# KiCad board sqrt_of_g.kicad_pcb (continued)
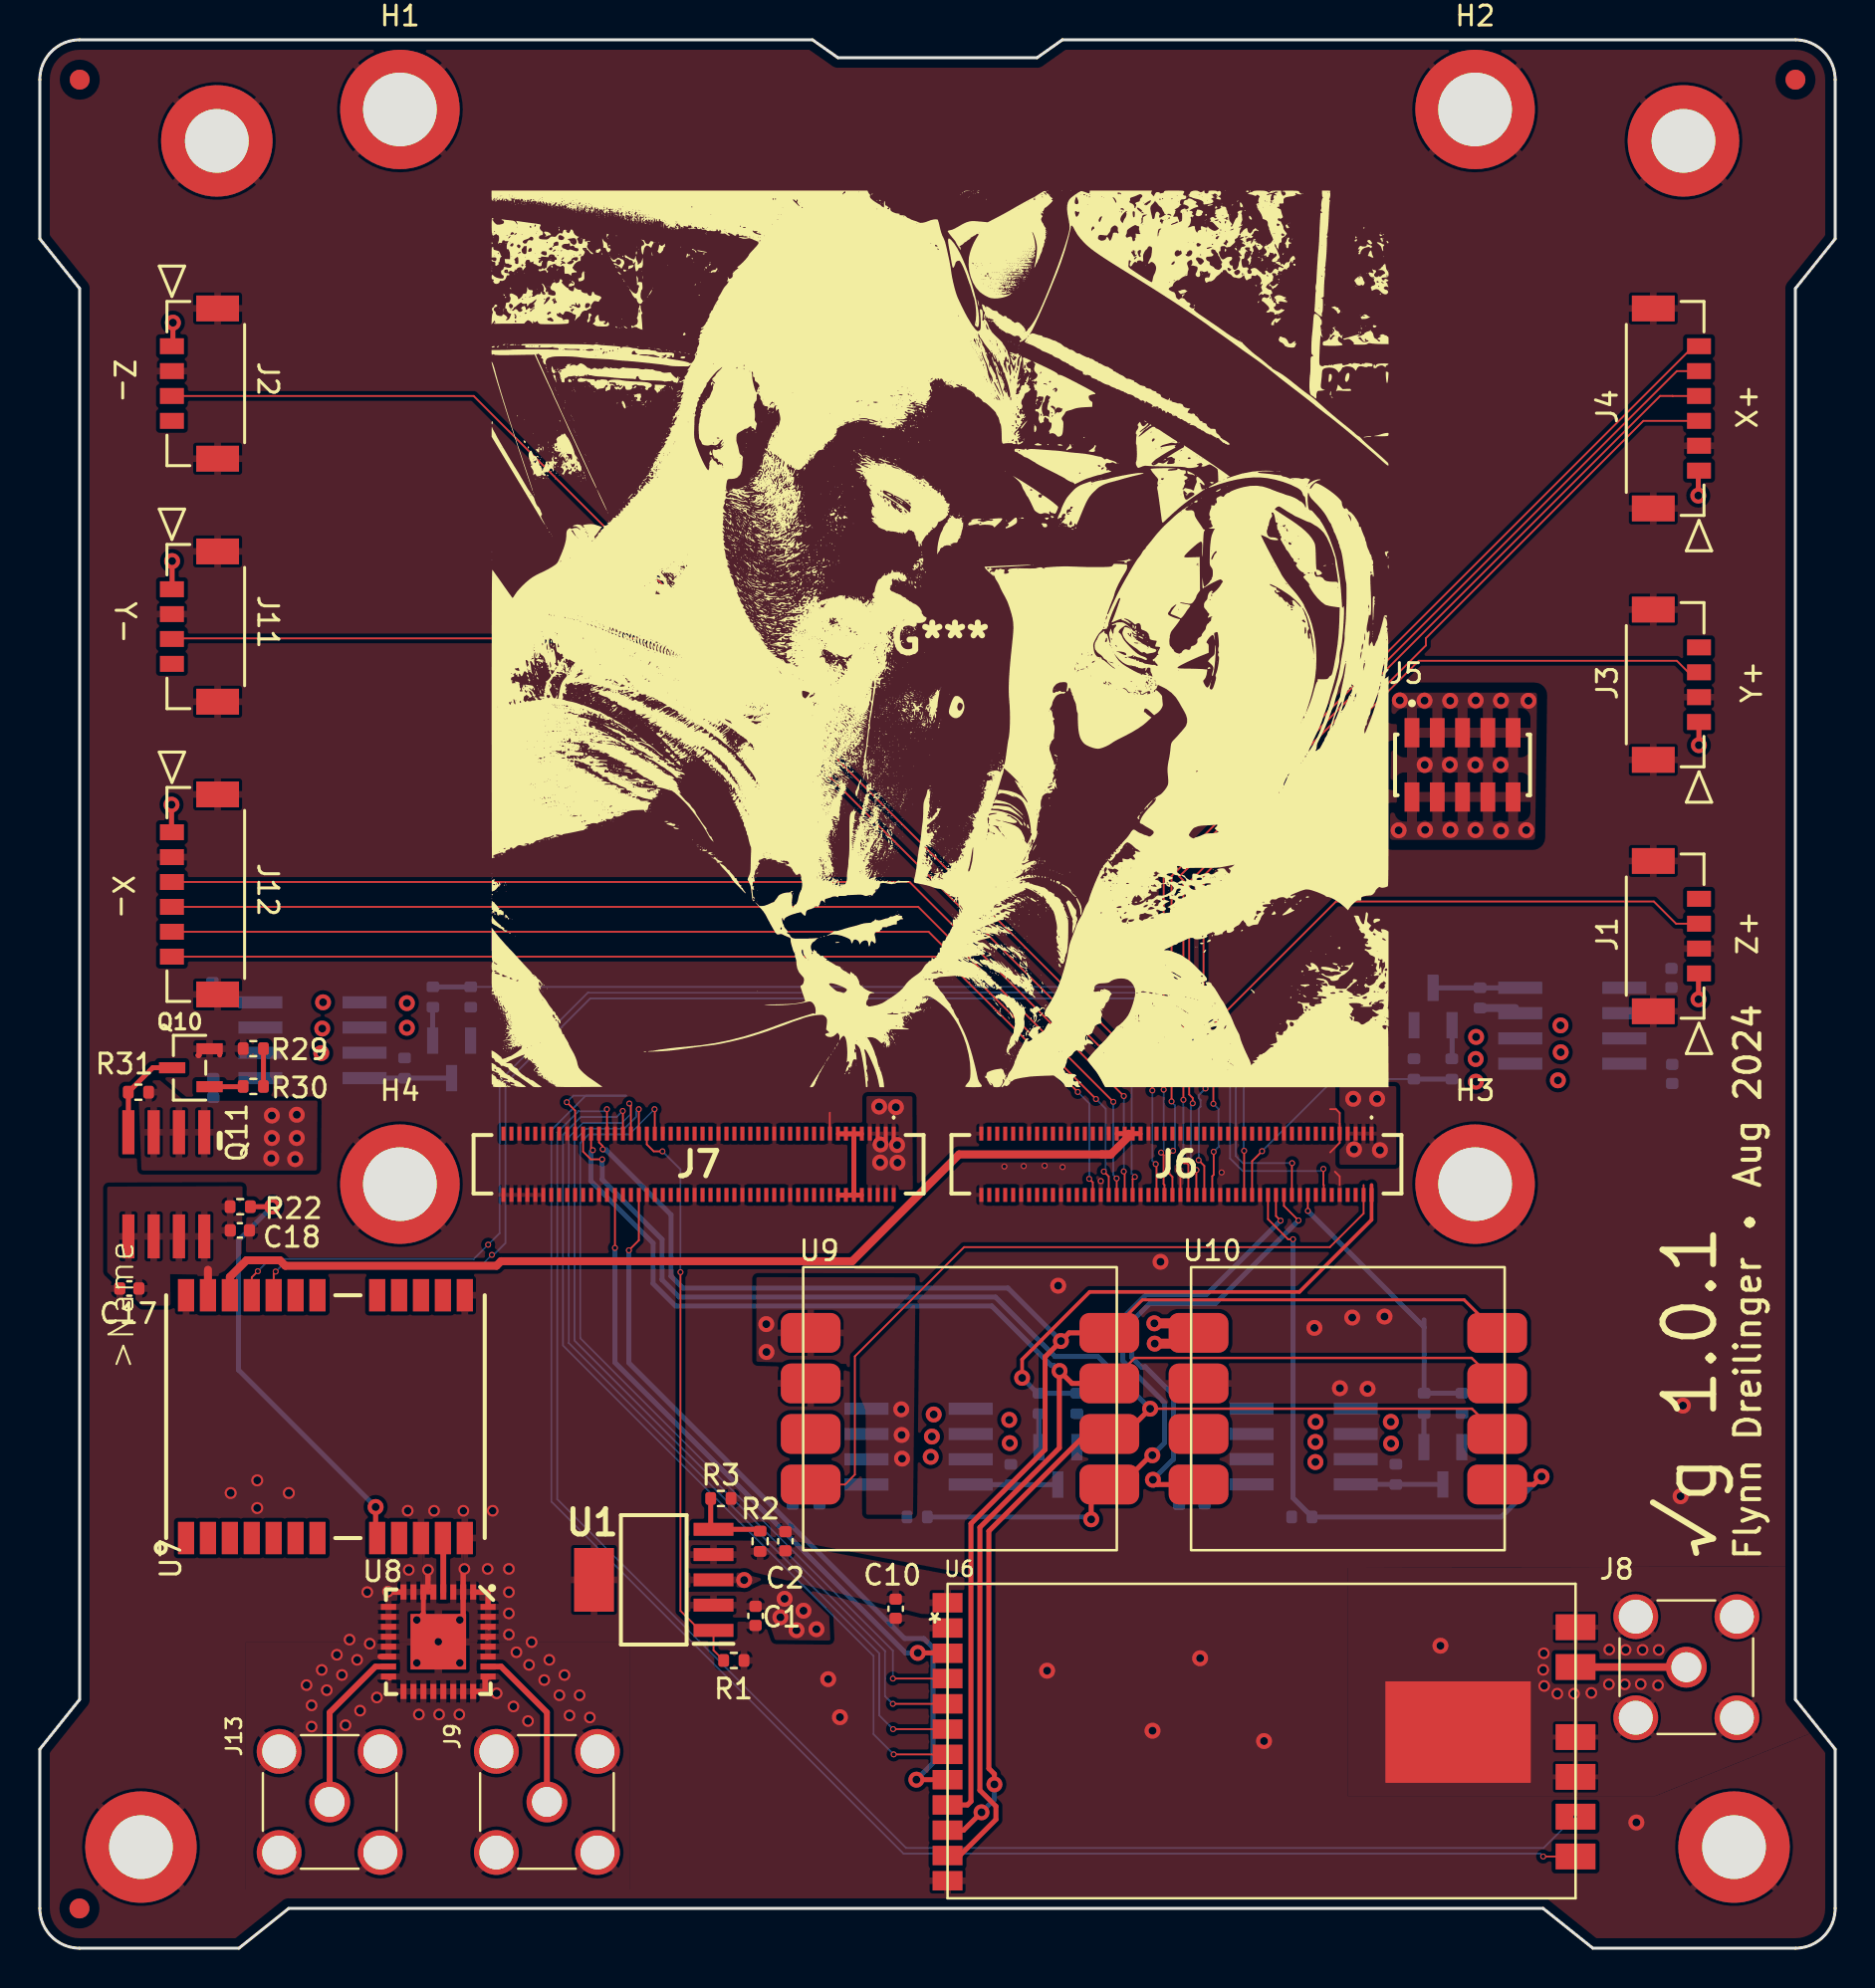
[diagram p0: board, top side]
## Footprints (pads in the part's own frame, mm; a bottom-side part is the same pattern mirrored in y, then rotated)
C_0402_1005Metric
  rrect 0.56x0.62 smd: 1(-0.48,0) 2(0.48,0)
CON_5055680431
  rect 0.8x1.2 smd: 1(0,0) 2(1.25,0) 3(2.5,0) 4(3.75,0)
  rect 1.3x2.15 smd: 5(-1.9,2.295) 6(5.65,2.295)
CON_5055680631
  rect 0.8x1.2 smd: 1(0,0) 2(1.25,0) 3(2.5,0) 4(3.75,0) 5(5,0) 6(6.25,0)
  rect 1.3x2.15 smd: 7(-1.9,2.295) 8(8.15,2.295)
CoralLandingPad
  round 6 hole 3.7: 1(0,0)
DF40HC30100DS04V51
  rect 0.2x0.7 smd: 1(-9.8,1.54) 2(-9.8,-1.54) 3(-9.4,1.54) 4(-9.4,-1.54) 5(-9,1.54) 6(-9,-1.54) 7(-8.6,1.54) 8(-8.6,-1.54) 9(-8.2,1.54) 10(-8.2,-1.54) 11(-7.8,1.54) 12(-7.8,-1.54) 13(-7.4,1.54) 14(-7.4,-1.54) 15(-7,1.54) 16(-7,-1.54) 17(-6.6,1.54) 18(-6.6,-1.54) 19(-6.2,1.54) 20(-6.2,-1.54) 21(-5.8,1.54) 22(-5.8,-1.54) 23(-5.4,1.54) 24(-5.4,-1.54) 25(-5,1.54) 26(-5,-1.54) 27(-4.6,1.54) 28(-4.6,-1.54) 29(-4.2,1.54) 30(-4.2,-1.54) 31(-3.8,1.54) 32(-3.8,-1.54) 33(-3.4,1.54) 34(-3.4,-1.54) 35(-3,1.54) 36(-3,-1.54) 37(-2.6,1.54) 38(-2.6,-1.54) 39(-2.2,1.54) 40(-2.2,-1.54) 41(-1.8,1.54) 42(-1.8,-1.54) 43(-1.4,1.54) 44(-1.4,-1.54) 45(-1,1.54) 46(-1,-1.54) 47(-0.6,1.54) 48(-0.6,-1.54) 49(-0.2,1.54) 50(-0.2,-1.54) 51(0.2,1.54) 52(0.2,-1.54) 53(0.6,1.54) 54(0.6,-1.54) 55(1,1.54) 56(1,-1.54) 57(1.4,1.54) 58(1.4,-1.54) 59(1.8,1.54) 60(1.8,-1.54) 61(2.2,1.54) 62(2.2,-1.54) 63(2.6,1.54) 64(2.6,-1.54) 65(3,1.54) 66(3,-1.54) 67(3.4,1.54) 68(3.4,-1.54) 69(3.8,1.54) 70(3.8,-1.54) 71(4.2,1.54) 72(4.2,-1.54) 73(4.6,1.54) 74(4.6,-1.54) 75(5,1.54) 76(5,-1.54) 77(5.4,1.54) 78(5.4,-1.54) 79(5.8,1.54) 80(5.8,-1.54) 81(6.2,1.54) 82(6.2,-1.54) 83(6.6,1.54) 84(6.6,-1.54) 85(7,1.54) 86(7,-1.54) 87(7.4,1.54) 88(7.4,-1.54) 89(7.8,1.54) 90(7.8,-1.54) 91(8.2,1.54) 92(8.2,-1.54) 93(8.6,1.54) 94(8.6,-1.54) 95(9,1.54) 96(9,-1.54) 97(9.4,1.54) 98(9.4,-1.54) 99(9.8,1.54) 100(9.8,-1.54)
Fiducial_1mm_Mask2mm
  round 1 smd: (0,0)
LORA128XF27
  rect 1.5x0.975 smd: 1(31.54,-14.25) 2(31.54,-12.98) 3(31.54,-11.71) 4(31.54,-10.44) 5(31.54,-9.17) 6(31.54,-7.9) 7(31.54,-6.63) 8(31.54,-5.36) 9(31.54,-4.09) 10(31.54,-2.82) 11(31.54,-1.55) 12(31.54,-0.28)
  rect 2x1.3 smd: 13(0,-1.5) 14(0,-3.5) 15(0,-5.5) 16(0,-7.5) 17(0,-11.02) 18(0,-13.02)
  rect 7.3x5.1 smd: 19(5.9,-7.75)
MountingHole_3.2mm_M3_DIN965_Pad
  round 5.6 hole 3.2: 1(0,0)
NDS8434
  rect 0.61x2.21 smd: 1(-1.905,-2.616) 2(-0.635,-2.616) 3(0.635,-2.616) 4(1.905,-2.616) 5(1.905,2.616) 6(0.635,2.616) 7(-0.635,2.616) 8(-1.905,2.616)
QFN32-5X5MM
  rect 0.762x0.305 smd: 1(-2.5,1.75) 2(-2.5,1.25) 3(-2.5,0.75) 4(-2.5,0.25) 5(-2.5,-0.25) 6(-2.5,-0.75) 7(-2.5,-1.25) 8(-2.5,-1.75) 17(2.5,-1.75) 18(2.5,-1.25) 19(2.5,-0.75) 20(2.5,-0.25) 21(2.5,0.25) 22(2.5,0.75) 23(2.5,1.25) 24(2.5,1.75)
  rect 0.305x0.762 smd: 9(-1.75,-2.5) 10(-1.25,-2.5) 11(-0.75,-2.5) 12(-0.25,-2.5) 13(0.25,-2.5) 14(0.75,-2.5) 15(1.25,-2.5) 16(1.75,-2.5) 25(1.75,2.5) 26(1.25,2.5) 27(0.75,2.5) 28(0.25,2.5) 29(-0.25,2.5) 30(-0.75,2.5) 31(-1.25,2.5) 32(-1.75,2.5)
  rect 2.794x2.794 smd: EP(0,0)
R_0402_1005Metric
  rrect 0.54x0.64 smd: 1(-0.51,0) 2(0.51,0)
RM3100CB
  rrect 3x2 smd: 1(-7.5,3.81) 2(-7.5,1.27) 3(-7.5,-1.27) 4(-7.5,-3.81) 5(7.5,3.81) 6(7.5,1.27) 7(7.5,-1.27) 8(7.5,-3.81)
S1216_24PIN_PACKAGE
  rect 1.626x0.813 smd: 1(5.85,-7.62) 2(5.85,-6.52) 3(5.85,-5.42) 4(5.85,-4.32) 5(5.85,-3.22) 6(5.85,-2.12) 7(5.85,-1.02) 8(5.85,1.98) 9(5.85,3.08) 10(5.85,4.18) 11(5.85,5.28) 12(5.85,6.38) 13(-6.35,6.38) 14(-6.35,5.28) 15(-6.35,4.18) 16(-6.35,3.08) 17(-6.35,1.98) 18(-6.35,-1.02) 19(-6.35,-2.12) 20(-6.35,-3.22) 21(-6.35,-4.32) 22(-6.35,-5.42) 23(-6.35,-6.52) 24(-6.35,-7.62)
SAMTEC_CLP-105-02-X-D
  rect 0.74x1.47 smd: 01(2.54,-1.615) 02(2.54,1.615) 03(1.27,-1.615) 04(1.27,1.615) 05(0,-1.615) 06(0,1.615) 07(-1.27,-1.615) 08(-1.27,1.615) 09(-2.54,-1.615) 10(-2.54,1.615)
SMA_Amphenol_901-144_Vertical
  round 2.05 hole 1.5: 1(0,0)
  round 2.25 hole 1.7: 2(-2.54,2.54) 2(-2.54,-2.54) 2(2.54,2.54) 2(2.54,-2.54)
SOT-23
  rect 0.559x1.321 smd: 1(-0.953,-1.003) 2(0.953,-1.003) 3(0,0.876)
TPS7A4501DCQT
  rect 2x0.65 smd: 1(-3,2.54) 2(-3,1.27) 3(-3,0) 4(-3,-1.27) 5(-3,-2.54)
  rect 2x3.2 smd: 6(3,0)

## Nets
/3V3_PD1: C3.1 C4.1 J1.1 J3.1 J4.1 Q2.5 Q2.6 Q2.7 Q2.8
/3V3_PD2: C5.1 C6.1 J2.1 J11.1 J12.1 Q5.5 Q5.6 Q5.7 Q5.8
/GPS/3V3_GPS: C17.1 C18.1 Q11.5 Q11.6 Q11.7 Q11.8 R22.2 U7.23
/MAG1/3V3_SENSORS: C13.1 C14.1 Q7.5 Q7.6 Q7.7 Q7.8 R6.2 U9.1
/MAG2/3V3_SENSORS: C15.1 C16.1 Q9.5 Q9.6 Q9.7 Q9.8 R11.2 U10.1
GND: C1.1 C2.1 C3.2 C4.2 C5.2 C6.2 C10.2 C13.2 C14.2 C15.2 C16.2 C17.2 C18.2 H1.1 H2.1 H3.1 H4.1 H5.1 H6.1 H7.1 H8.1 J1.2 J1.5 J1.6 J2.2 J2.5 J2.6 J3.2 J3.5 J3.6 J4.2 J4.7 J4.8 J6.9 J6.10 J6.19 J6.24 J6.29 J6.36 J6.39 J6.49 J6.50 J6.58 J6.59 J6.68 J6.69 J6.78 J6.79 J6.88 J6.89 J6.99 J6.100 J7.18 J7.27 J7.32 J7.39 J7.46 J7.51 J7.60 J7.63 J7.72 J7.75 J7.84 J7.89 J7.90 J7.91 J7.93 J7.95 J7.96 J7.97 J7.99 J8.2 J9.2 J11.2 J11.5 J11.6 J12.2 J12.7 J12.8 J13.2 Q1.2 Q4.2 Q6.2 Q8.2 Q10.2 R1.2 R3.2 R4.2 R8.2 R23.2 R26.2 R29.2 U1.3 U1.6 U6.2 U6.12 U6.15 U6.16 U6.18 U6.19 U7.10 U7.12 U7.13 U7.24 U8.1 U8.2 U8.3 U8.5 U8.6 U8.7 U8.8 U8.9 U8.10 U8.11 U8.12 U8.13 U8.14 U8.16 U8.17 U8.18 U8.19 U8.20 U8.21 U8.22 U8.23 U8.24 U8.25 U8.27 U8.28 U8.29 U8.30 U8.31 U8.32 U8.EP U9.2 U10.2
VDD_1V8: J7.9 J7.10 J7.11 J7.12 J7.13 J7.14 J7.15 J7.16
VDD_3V3: J6.2 J6.4 J6.6 J6.8 J7.1 J7.2 J7.3 J7.4 J7.5 J7.6 J7.7 J7.8 Q2.1 Q2.2 Q2.3 Q5.1 Q5.2 Q5.3 Q7.1 Q7.2 Q7.3 Q9.1 Q9.2 Q9.3 Q11.1 Q11.2 Q11.3 R7.1 R10.1 R25.1 R28.1 R31.1
VDD_3V3_LP: J6.60 J6.62 J6.64 J6.66 U7.22
/DRDY_MAG1: J6.3 U9.4
/DRDY_MAG2: J6.23 U10.4
/EN_MAG1: J6.1 R23.1 R24.2
/EN_MAG2: J6.17 R26.1 R27.2
/EN_PD1: J6.31 R4.1 R5.2
/EN_PD2: J6.33 R8.1 R9.2
/EN_RF: J7.64 R1.1 U1.1
/GPIO_AD_06: J1.3 J6.41
/GPIO_AD_07: J3.3 J6.43
/GPIO_AD_08: J4.3 J6.45
/GPIO_AD_09: J4.4 J6.47
/GPIO_AD_10: J4.5 J6.51
/GPIO_AD_11: J4.6 J6.53
/GPIO_AD_12: J2.3 J6.55
/GPIO_AD_14: J6.61 J11.3
/GPIO_AD_15: J6.63 J12.3
/GPIO_AD_16: J6.65 J12.4
/GPIO_AD_17: J6.67 J12.5
/GPIO_AD_18: J6.71 J12.6
/GPS/EN_GPS: R29.1 R30.2
/GPS/RF_IN: U7.11 U8.4
/RF_BUSY: J7.62 U6.4
/RF_IO1: J7.66 U6.5
/RF_IO2: J7.68 U6.6
/RF_IO3: J7.70 U6.7
/RF_RST: J7.71 U6.3
/RF_RX_EN: J7.74 U6.14
/RF_TX_EN: J7.82 U6.13
/RX_FROM_GPS: J6.13 U7.20
/TX_TO_GPS: J6.21 U7.21
BT_CFG_IO_EN: J6.37
CS_MAG1: J6.25 R6.1 U9.8
CS_MAG2: J6.27 R11.1 U10.8
CS_RF: J7.65 U6.8
DAC_OUT: J6.20
EN_ADCS: J6.22
GPIO_AD_04: J6.35
GPIO_AD_13: J6.57
GPIO_AD_19: J6.73
GPIO_AD_20: J6.75
GPIO_AD_21: J6.77
GPIO_AD_22: J6.83
GPIO_AD_23: J6.81
GPIO_AD_26: J6.87
GPIO_AD_27: J6.91
GPIO_AD_28: J6.93
GPIO_AD_29: J6.95
GPIO_AD_30: J6.97
GPIO_AD_31: J6.90
GPIO_AD_32: J6.92
GPIO_AD_33: J6.94
GPIO_AD_34: J6.96
GPIO_AD_35: J6.98
GPIO_DISP_B1_00: J7.20
GPIO_DISP_B1_01: J7.22
GPIO_DISP_B1_02: J7.24
GPIO_DISP_B1_03: J7.26
GPIO_DISP_B1_04: J7.28
GPIO_DISP_B1_05: J7.30
GPIO_EMC_B1_40: J6.52
GPIO_EMC_B1_41: J6.54
GPIO_EMC_B2_00: J7.41
GPIO_EMC_B2_01: J7.43
GPIO_EMC_B2_02: J7.45
GPIO_EMC_B2_03: J7.47
GPIO_EMC_B2_04: J7.49
GPIO_EMC_B2_05: J7.53
GPIO_EMC_B2_06: J7.55
GPIO_EMC_B2_07: J7.57
GPIO_EMC_B2_08: J7.59
GPIO_EMC_B2_09: J7.61
GPIO_EMC_B2_11: J7.67
GPIO_EMC_B2_12: J7.69
GPIO_EMC_B2_14: J7.73
GPIO_EMC_B2_15: J7.77
GPIO_EMC_B2_16: J7.79
GPIO_EMC_B2_17: J7.81
GPIO_EMC_B2_18: J7.83
GPIO_EMC_B2_19: J7.85
GPIO_EMC_B2_20: J7.87
GPIO_LPSR_04: J6.11
GPIO_LPSR_06: J6.15
GPIO_SD_B1_00: J6.26
GPIO_SD_B1_01: J6.28
GPIO_SD_B1_03: J6.30
GPIO_SD_B1_04: J6.32
GPIO_SD_B1_05: J6.34
GPIO_SNVS_00: J7.17
GPIO_SNVS_01: J7.19
GPIO_SNVS_02: J7.21
GPIO_SNVS_03: J7.23
GPIO_SNVS_04: J7.25
GPIO_SNVS_05: J7.29
GPIO_SNVS_06: J7.31
GPIO_SNVS_07: J7.33
GPIO_SNVS_08: J7.35
GPIO_SNVS_09: J7.37
LPUART1_RX_BOOT: J6.85
ONOFF: J6.12
PMIC_ON_REQ: J6.18
PMIC_STBY_REQ: J6.14
SCK: J7.76 U6.9 U9.5 U10.5
SDI: J7.78 U6.11 U9.6 U10.6
SDO: J7.80 U6.10 U9.7 U10.7
USDHC2_CLK: J6.46
USDHC2_CMD: J6.48
USDHC2_DATA0: J6.44
USDHC2_DATA1: J6.42
USDHC2_DATA2: J6.40
USDHC2_DATA3: J6.38
V_RF: C2.2 C10.1 R2.1 U1.4 U6.1
VSYS: C1.2 J5.01 J5.02 J5.03 J5.04 J5.05 J5.06 J5.07 J5.08 J5.09 J5.10 U1.2
WAKEUP: J6.16
Net-(J8-In): J8.1 U6.17
Net-(J9-In): J9.1 U8.26
Net-(J13-In): J13.1 U8.15
Net-(Q1-D): Q1.3 Q2.4 R7.2
Net-(Q1-G): Q1.1 R5.1
Net-(Q4-D): Q4.3 Q5.4 R10.2
Net-(Q4-G): Q4.1 R9.1
Net-(Q6-D): Q6.3 Q7.4 R25.2
Net-(Q6-G): Q6.1 R24.1
Net-(Q8-D): Q8.3 Q9.4 R28.2
Net-(Q8-G): Q8.1 R27.1
Net-(Q10-D): Q10.3 Q11.4 R31.2
Net-(Q10-G): Q10.1 R30.1
Net-(U1-SENSE/ADJ): R2.2 R3.1 U1.5
Net-(U7-RSTN): R22.1 U7.8

Pads without a net: J1 4; J2 4; J3 4; J6 5 7 56 70 72 74 76 80 82 84 86; J7 34 36 38 40 42 44 48 50 52 54 56 58 86 88 92 94 98 100; J11 4; U7 1 2 3 4 5 6 7 9 14 15 16 17 18 19; U9 3; U10 3

## Via types
v1: diameter 0.8, hole 0.4, Top to Bottom, 103 vias
v2: diameter 0.3, hole 0.2, Top to Bottom, 62 vias
v3: diameter 0.584, hole 0.381, Top to Bottom, 62 vias
v4: diameter 0.6, hole 0.4, Top to Bottom, 4 vias

## Routing (per net, layer and track width the routed paths; a pad name or vN(x,y) marks a point on that pad's centre or on a via; arc(x,y) is an arc through that point)
/3V3_PD1: length 3.7
  Top w0.25: v1(83.3,72.99) 83.3,74.32 ; v1(83.33,60.45) 83.33,61.6 ; v1(83.3,47.68) 83.3,48.87
/3V3_PD2: length 3.9
  Top w0.25: v1(6.62,57.46) 6.62,56.08 ; v1(6.69,81.68) 6.69,80.6 ; v1(6.65,69.7) 6.65,68.24
/GPS/3V3_GPS: length 1.3
  Top w0.4: U7.23 8.45,34.09
/MAG1/3V3_SENSORS:
  vias: v1(36.48,31.36) v1(36.49,29.96) v1(43.27,27.08) v1(43.29,25.79) v1(43.3,24.6)
/MAG2/3V3_SENSORS: length 4.8
  Top w0.25: 57.66,30.38 U10.1 57.72,31.4
  Top w0.5: v1(55.98,31.4) 57.72,31.4 ; v1(55.99,30.38) 57.66,30.38
  Bottom w0.25: 61.69,23.26 61.69,23.26
GND: length 16.6
  Top w0.09: v2(57.2,39.15) 57.29,39.06 J6.49 ; 64.8,39.99 65.29,40.47 J6.10 ; 65.29,38.35 65.29,38.78 65.05,39.02 ; 64.8,42.16 65.1,42.16 65.29,41.97 65.29,40.89 ; 39.67,41.98 39.67,40.87
  Top w0.235: U8.5 U8.6 19.26,16.82 v3(18.94,16.49)
  Top w0.25: 8.01,44.88 7.99,44.86 7.95,44.86 7.95,44.87
  Top w0.272: 17.51,17.79 17.41,17.89 18.25,17.89 U8.8 ; 16.6,15.15 16.45,15.3 ; U8.1 21.77,17.89 22.51,17.89 U8.32 22.5,17.16 ; U8.16 17.58,13.59 ; U8.6 19.49,18.13 v3(19.49,19.01) ; U8.29 22.47,15.6 ; U8.14 17.1,14.65 ; 21.26,16.65 U8.2 21.26,19 v3(21.32,19.06) ; U8.24 22.33,12.9 22.36,12.94 22.36,13.5 U8.25 22.5,13.66 ; U8.30 22.55,16.11 ; U8.23 21.26,12.77
  vias: v1(35.38,18.5) v1(39.6,13.52) v1(40.19,11.61) v1(50.59,13.94) v1(51.14,33.29) v1(55.88,10.93) v1(56.29,34.49) v1(58.27,14.57) v1(61.48,10.41) v1(64.02,31.17) v1(65.3,28.14) v1(65.92,31.69) v1(66.69,28.11) v1(67.54,31.74) v1(70.35,15.2) v1(80.19,6.32) v1(82.41,22.71) v1(82.52,27.26) v2(48.44,39.28) v2(49.42,39.3) v2(50.47,39.32) v2(51.36,39.25) v2(53.29,38.55) v2(59.36,38.98) v3(13.4,13.22) v3(13.65,12.2) v3(13.65,11.14) v3(14.16,13.98) v3(14.41,12.97) v3(14.92,14.74) v3(15.17,13.73) v3(15.35,11.21) v3(15.55,15.51) v3(15.94,14.49) v3(16.09,11.94) v3(16.45,17.89) v3(16.57,15.3) v3(16.93,12.6) v3(17.48,17.92) v3(18.48,21.98) v3(18.53,19.01) v3(18.94,14.33) v3(19.04,11.74) v3(19.8,21.98) v3(20.01,15.4) v3(20.05,11.74) v3(21.09,16.49) v3(21.09,14.33) v3(21.07,11.74) v3(21.27,21.98) v3(22.49,19.06) v3(22.75,21.98) v3(22.94,12.81) v3(23.56,19.06) v3(23.56,17.89) v3(23.56,16.82) v3(23.56,15.76) v3(23.79,12.15) v3(23.94,14.87) v3(24.57,14.24) v3(24.52,11.41) v3(24.7,15.38) v3(25.33,13.47) v3(25.59,14.49) v3(26.1,12.71) v3(26.35,13.73) v3(26.6,11.7) v3(27.11,12.71) v3(27.62,11.59) v3(75.54,14.82) v3(75.51,13.99) v3(75.55,13.18) v3(76.22,12.79) v3(77.05,12.79) v3(77.92,12.83) v3(78.8,13.26) v3(78.83,15.01) v3(79.64,14.99) v3(79.61,13.26) v3(80.49,14.99) v3(80.41,13.27) v3(81.3,14.99) v3(81.27,13.21) v4(9.59,22.87) v4(10.92,23.51) v4(10.92,22.12) v4(12.51,22.87)
VDD_1V8: length 5.4
  Top w0.25: 40.11,37.84 41.26,37.84 ; 40.11,40.92 41.26,40.92 ; 40.89,37.84 40.89,40.92
VDD_3V3: length 2.1
  Bottom w0.09: 74.09,47.24 Q2.3
  Bottom w0.4: R7.1 74.09,47.24
  vias: v1(11.66,41.84) v1(11.66,40.71) v1(11.62,39.69) v1(12.91,41.88) v1(12.91,40.71) v1(12.83,39.65) v1(14.19,46.21) v1(14.14,44.98) v1(14.23,47.53) v1(18.44,47.49) v1(18.44,46.25) v1(42.16,42.29) v1(42.2,39.48) v1(42.23,40.39) v1(42.99,42.26) v1(43.05,40.36) v1(43.08,39.47) v1(44.8,25.71) v1(44.74,24.69) v1(44.89,26.82) v1(48.69,26.55) v1(48.72,25.38) v1(64.08,26.45) v1(64.07,25.44) v1(64.07,24.43) v1(65.97,42.68) v1(66.01,40.14) v1(67.17,42.68) v1(67.3,40.1) v1(67.86,26.45) v1(67.86,25.36) v1(72.14,45.79) v1(72.11,44.68) v1(72.13,43.54) v1(76.24,43.61) v1(76.38,46.37) v1(76.39,45.02)
VDD_3V3_LP: length 50.8
  Top w0.25: 54.69,40.93 54.11,40.93 ; 54.89,40.93 55.26,40.93
  Top w0.4: 54.69,40.93 54.69,40.78 53.79,39.89 53.33,39.89 ; 53.33,39.89 46.17,39.89 40.8,34.52 23.16,34.52 22.93,34.29 12.33,34.29 12.06,34.56 10.38,34.56 9.55,33.73 U7.22 ; 53.33,39.89 53.79,39.89
/DRDY_MAG1: length 38.3
  Top w0.09: U9.4 40.44,23.3 40.94,23.8 40.94,29.74 46.42,35.23 64.8,35.23 66.48,36.92 66.48,38.35
/DRDY_MAG2: length 23.8
  Top w0.09: v2(63.22,36.57) 62.48,37.3 J6.23
  Top w0.25: v1(55.91,23.54) 56.14,23.3 U10.4
  Bottom w0.25: v2(63.22,36.57) 59.05,32.4 55.76,32.4 54.85,31.49 54.85,29.69 55.34,29.2 55.49,29.2 55.52,29.22 56.94,27.79 56.94,24.57 v1(55.91,23.54)
/EN_MAG1: length 26.2
  Top w0.18: v1(49.33,28.66) 49.33,29.58 52.73,32.98 63.27,32.98 66.89,36.6 66.89,38.35
  Bottom w0.25: v1(49.33,28.66) 50.11,27.88 R24.2 R23.1
/EN_MAG2: length 14.6
  Top w0.09: J6.17 v2(63.69,37.05)
  Bottom w0.25: v2(63.69,37.05) 69.52,31.21 ; 69.52,31.57 R27.2 R26.1
/EN_PD1: length 13.4
  Top w0.09: J6.31 60.89,39.55 v2(61.39,40.05)
  Bottom w0.09: v2(61.39,40.05) 65.01,43.67 R4.1
  Bottom w0.25: R4.1 R5.2
/EN_PD2: length 48.4
  Top w0.09: v2(60.48,40.07) J6.33
  Bottom w0.09: v2(60.48,40.07) 60.47,40.09 60.47,43.57 55.73,48.3 R8.1
  Bottom w0.25: R8.1 R9.2
/EN_RF: length 28.7
  Top w0.09: 30.48,40.82 30.48,40.39 30.83,40.04 v2(31.27,40.04) ; 34.13,14.67 34.18,14.63 ; 34.13,14.67 R1.1 ; 34.13,14.67 33.83,14.97 U1.1 33.16,15.97 32.17,16.95 v2(32.17,33.97)
  Bottom w0.09: v2(31.27,40.04) 32.17,39.13 v2(32.17,33.97)
/GPIO_AD_06: length 36.4
  Top w0.09: v2(58.96,40.02) 58.96,38.86 58.89,38.79 J6.41 ; J1.3 82.18,51.48 81.07,52.59 65.1,52.59 58.73,46.23 58.94,46.02 v2(58.94,42.43)
  Bottom w0.09: v2(58.94,42.43) 59.2,42.17 59.2,40.26 v2(58.96,40.02)
/GPIO_AD_07: length 46
  Top w0.09: J6.43 58.48,39.31 v2(58.2,39.59) ; v2(58.54,43.2) 58.54,43.21 58.54,46.02 58.45,46.11 58.45,53.88 69.26,64.69 82.22,64.69 82.79,64.11 J3.3
  Bottom w0.09: v2(58.2,39.59) 58.2,39.6 58.2,42.2 58.3,42.29 58.3,42.62 58.2,42.71 58.2,42.86 v2(58.54,43.2)
/GPIO_AD_08: length 51.4
  Top w0.09: v2(57.9,42.45) 57.9,42.72 57.73,42.9 57.73,53.57 69.61,65.46 69.61,65.82 80.54,76.74 J4.3 ; J6.45 58.08,39.1 v2(58.09,39.1)
  Bottom w0.09: v2(58.09,39.1) 57.8,39.39 57.8,42.36 v2(57.9,42.45)
/GPIO_AD_09: length 52.5
  Top w0.09: J6.47 57.69,39.38 57.61,39.45 57.47,39.45 v2(57.26,39.66) ; J4.4 82.01,77.99 82.01,78 81.38,78 57.23,53.85 57.44,53.65 v2(57.44,42.63)
  Bottom w0.09: v2(57.26,39.66) 57.44,39.84 v2(57.44,42.63)
/GPIO_AD_10: length 53.3
  Top w0.09: J4.5 82.22,79.24 56.84,53.87 v2(56.84,42.55) ; v2(56.92,40.07) 56.73,39.88 56.73,38.91 56.89,38.76 J6.51
  Bottom w0.09: v2(56.92,40.07) 57.01,40.16 57.01,42.34 56.83,42.53 56.83,42.53 v2(56.84,42.55)
/GPIO_AD_11: length 54.7
  Top w0.09: 83.41,80.65 83.21,80.65 56.45,53.88 v2(56.45,43.14) ; v2(56.32,39.98) 56.44,39.85 56.44,38.39 56.48,38.35 J6.53
  Bottom w0.09: v2(56.45,43.14) 56.45,43.37 56.45,40.11 v2(56.32,39.98)
/GPIO_AD_12: length 69.4
  Top w0.09: v2(55.88,43.1) 55.88,43.91 21.79,77.99 6.73,77.99 ; J6.55 56.08,39.36 v2(56.05,39.4)
  Bottom w0.09: v2(55.88,43.1) 55.88,39.57 v2(56.05,39.4)
/GPIO_AD_14: length 63.3
  Top w0.09: 6.65,65.81 32.72,65.81 v2(54.83,43.7) ; J6.61 54.89,38.65 v2(54.99,38.76)
  Bottom w0.09: v2(54.83,43.7) 54.83,38.92 v2(54.99,38.76)
/GPIO_AD_15: length 57.2
  Top w0.09: v2(54.44,42.82) 43.69,53.57 6.65,53.57 ; v2(54.44,39.03) 54.48,38.98 J6.63
  Bottom w0.09: v2(54.44,42.82) 54.44,39.03 v2(54.44,39.03)
/GPIO_AD_16: length 56.5
  Top w0.09: v2(53.92,42.53) 44.12,52.32 6.45,52.32 6.65,52.32 ; v2(54.08,38.68) 54.08,38.67 J6.65
  Bottom w0.09: v2(54.08,38.68) 53.92,38.84 v2(53.92,42.53)
/GPIO_AD_17: length 55
  Top w0.09: v2(53.44,39.02) 53.69,38.78 J6.67 ; 6.65,51.07 44.64,51.07 v2(53.05,42.67)
  Bottom w0.09: v2(53.44,39.02) 53.54,39.12 53.54,42.18 v2(53.05,42.67)
/GPIO_AD_18: length 53.8
  Top w0.09: J6.71 52.89,38.48 v2(52.7,38.66) ; v2(52.13,43.02) 45.33,49.82 6.65,49.82
  Bottom w0.09: v2(52.7,38.66) 52.7,42.45 v2(52.13,43.02)
/GPS/EN_GPS: length 1.9
  Top w0.25: R29.1 R30.2
/GPS/RF_IN: length 2.7
  Top w0.293: U7.11 20.26,20.59 U8.4
/RF_BUSY: length 41.8
  Top w0.09: v2(42.85,13.55) U6.4 ; J7.62 30.89,42.15 v2(30.88,42.16)
  Bottom w0.09: v2(30.88,42.16) 29.61,40.89 27.57,40.89 27.14,40.47 27.14,30.65 42.85,14.95 v2(42.85,13.55)
/RF_IO1: length 42.9
  Top w0.09: v2(30.08,42.16) 30.08,42.15 J7.66 ; v2(42.85,12.28) U6.5
  Bottom w0.09: v2(30.08,42.16) 29.96,42.04 29.96,41.78 29.36,41.18 27.45,41.18 26.86,40.59 26.86,30.53 42.45,14.93 42.45,12.66 42.83,12.28 v2(42.85,12.28)
/RF_IO2: length 44.9
  Top w0.09: v2(42.86,11.01) U6.6 ; J7.68 29.69,42.36 v2(29.61,42.44)
  Bottom w0.09: v2(29.61,42.44) 29.67,42.38 29.67,41.9 29.24,41.47 27.29,41.47 26.57,40.75 26.57,30.41 42.16,14.81 42.16,11.7 v2(42.86,11.01)
/RF_IO3: length 45.4
  Top w0.09: J7.70 29.29,42.06 v2(29.27,42.07) ; v2(42.89,9.74) U6.7
  Bottom w0.09: v2(29.27,42.07) 28.97,41.76 27.17,41.76 26.27,40.87 26.27,30.29 41.87,14.69 41.87,10.75 v2(42.89,9.74)
/RF_RST: length 31.2
  Top w0.09: J7.71 v2(28.89,35.19)
  Top w0.25: v1(44.1,14.84) 45.57,14.84 U6.3
  Bottom w0.25: v1(44.1,14.84) 43.48,14.84 43.48,14.84 28.89,29.43 v2(28.89,35.19)
/RF_RX_EN: length 81.7
  Top w0.09: J7.74 28.48,42.15 v2(28.48,42.16)
  Bottom w0.09: 77.11,6.62 75.52,5.04 43.51,5.04 25.98,22.56 25.98,40.99 27.05,42.05 28.38,42.05 v2(28.48,42.16)
  vias: v2(77.12,6.6)
/RF_TX_EN: length 86.8
  Top w0.09: J7.82 26.89,42.09 v2(26.47,42.51) ; v2(75.51,4.61) U6.13
  Bottom w0.09: v2(26.47,42.51) 26.79,42.84 29.44,42.84 27.42,42.84 25.7,41.11 25.7,22.44 43.38,4.75 75.36,4.75 v2(75.51,4.61)
/RX_FROM_GPS: length 71.4
  Top w0.09: J6.13 64.48,38.35 64.47,38.37 v2(64.47,39.16) ; v2(11.84,34) 11.75,33.9 U7.20
  Bottom w0.09: v2(11.84,34) 12.19,34.34 22.2,34.34 v2(22.7,34.84) 22.79,34.84 23.39,35.43 23.39,43.46 27.64,47.72 55.49,47.72 59.78,43.43 59.78,39.68 60.41,39.05 64.36,39.05 v2(64.47,39.16)
/TX_TO_GPS: length 70.9
  Top w0.09: J6.21 62.89,39.44 v2(62.89,39.45) ; v2(10.95,34.01) 10.65,33.71 U7.21
  Bottom w0.09: v2(62.89,39.45) 60.43,39.45 60.07,39.8 60.07,43.55 55.61,48.01 27.52,48.01 23.09,43.58 23.09,35.93 v2(22.52,35.35) 21.8,34.63 11.56,34.63 v2(10.95,34.01)
CS_MAG1: length 32.5
  Top w0.09: J6.25 62.08,36.79 v2(62.32,36.56)
  Top w0.25: v1(55.88,24.77) 55.8,24.77 54.33,23.3 U9.8 52.8,22.39 v1(52.8,21.55)
  Bottom w0.25: v1(55.88,24.77) 55.88,24.78 56.49,25.39 56.49,27.41 54.39,29.5 54.39,31.68 55.57,32.85 58.61,32.85 v2(62.32,36.56) ; v1(52.8,21.55) 52.69,21.67 R6.1
CS_MAG2: length 32
  Top w0.09: J6.27 61.69,36.63 62.69,35.62 v2(62.94,35.62)
  Top w0.25: v1(75.42,23.7) 75.02,23.3 U10.8
  Bottom w0.25: v2(62.94,35.62) 62.94,22.62 R11.1 73.39,21.67 v1(75.42,23.7)
CS_RF: length 38.4
  Top w0.09: v2(29.58,35.07) 30.08,35.57 J7.65
  Top w0.25: v1(44.02,8.47) U6.8
  Bottom w0.25: v2(29.58,35.07) 29.58,29.41 43.43,15.56 44.4,15.56 44.86,15.09 44.86,9.31 v1(44.02,8.47)
SCK: length 79.4
  Top w0.09: J7.76 28.09,40.49 28.27,40.3 v2(28.27,40.14) 28.27,40.16
  Top w0.15: U10.5 71.54,32.58 55.38,32.58 U9.5
  Top w0.25: U9.5 51.7,30.92 v1(51.29,30.51) 50.49,29.71 50.49,25.06 46.77,21.33 46.77,7.37 46.59,7.2 U6.9
  Bottom w0.25: v1(51.29,30.51) 48.63,33.17 32.3,33.17 31.7,33.77 31.7,36.85 28.44,40.11 28.3,40.11 v2(28.27,40.14)
SDI: length 84.1
  Top w0.09: v2(27.77,40.1) 27.69,40.19 J7.78
  Top w0.12: U9.6 54.99,29.66 71.92,29.66 U10.6 ; 46.08,4.66 U6.11
  Top w0.25: U6.11 46.21,4.66 48.02,6.47 48.02,7.13 47.22,7.93 47.22,21.14 51.2,25.13 51.2,28.99 v1(51.22,29) 51.84,28.38 U9.6 52.22,28.38
  Bottom w0.25: v1(51.22,29) 50.94,29.28 50.8,29.28 47.81,32.27 31.93,32.27 30.8,33.4 30.8,35.43 27.67,38.56 27.67,40 v2(27.77,40.1)
SDO: length 82.2
  Top w0.09: v2(28.24,39.64) 27.67,39.64 27.29,40.03 J7.80
  Top w0.12: 46.08,5.93 U6.10 ; v1(55.77,27.11) 71.92,27.11 U10.7 ; U9.7 54.49,25.84
  Top w0.25: U6.10 46.39,5.93 v1(47.3,6.83) ; 54.49,25.84 v1(55.77,27.11) ; U9.7 52.55,25.84 47.67,20.96 47.67,9.03 47.94,8.75 v1(47.94,8.23)
  Bottom w0.25: v1(47.3,6.83) 47.94,7.48 v1(47.94,8.23) ; v1(55.77,27.11) 53.14,29.73 50.98,29.73 47.99,32.72 32.12,32.72 31.25,33.58 31.25,35.62 28.24,38.62 v2(28.24,39.64)
VSYS: length 0
  Top w0.25: 35.91,17.24 35.94,17.21
  vias: v1(37.2,16.63) v1(37.41,17.56) v1(38.01,15.98) v1(38.36,16.96) v1(39.01,16.03) v1(68.3,62.7) v1(68.24,56.17) v1(69.55,62.69) v1(69.55,59.46) v1(69.58,56.19) v1(70.83,62.68) v1(70.82,59.47) v1(70.85,56.19) v1(72.1,59.46) v1(72.11,56.18) v1(72.11,62.7) v1(73.39,62.69) v1(73.36,59.46) v1(73.39,56.15) v1(74.66,56.18) v1(74.77,62.68)
Net-(J8-In): length 5.6
  Top w0.25: 82.69,14.13 J8.1
  Top w0.38: U6.17 82.69,14.13
Net-(J9-In): length 8.4
  Top w0.293: J9.1 25.47,11.85 23.17,14.15 U8.26
Net-(J13-In): length 8.4
  Top w0.293: J13.1 14.56,11.85 16.86,14.15 U8.15
Net-(Q1-D): length 4.4
  Bottom w0.25: Q1.3 74.35,48.26 Q2.4
Net-(Q1-G): length 1.7
  Bottom w0.25: Q1.1 70.93,44.76 70.94,44.75 70.94,44.71 R5.1
Net-(Q4-D): length 4.4
  Bottom w0.25: Q5.4 16.31,43.72 Q4.3
Net-(Q4-G): length 1.7
  Bottom w0.25: 19.74,47.28 19.72,47.26 19.72,47.22 19.73,47.22 Q4.1
Net-(Q6-D): length 4.4
  Bottom w0.25: Q6.3 46.75,23.29 Q7.4
Net-(Q6-G): length 1.7
  Bottom w0.25: Q6.1 50.17,26.79 50.17,26.8 50.17,26.84 R24.1
Net-(Q8-D): length 4.4
  Bottom w0.25: Q9.4 66.09,23.3 Q8.3
Net-(Q8-G): length 1.7
  Bottom w0.25: R27.1 69.51,26.85 69.51,26.81 69.51,26.8 Q8.1
Net-(Q10-D): length 4.7
  Top w0.25: Q11.4 4.45,43.01 R31.2 5.67,44.24 Q10.3
Net-(Q10-G): length 1.6
  Top w0.25: 10.14,43.29 Q10.1
Net-(U1-SENSE/ADJ): length 4
  Top w0.25: 36.17,20.82 35.95,21.05 U1.5 33.7,21.19 R3.1
Net-(U7-RSTN): length 21.4
  Top w0.25: v1(11.67,37.27) 11.67,37.26 R22.1 ; U7.8 16.87,20.69 v1(16.87,22.17)
  Bottom w0.25: v1(16.87,22.17) 9.98,29.06 9.98,35.57 v1(11.67,37.27)

## Copper pours and planes (outline as drawn; the poured copper is in the pictures)
/3V3_PD1 on Bottom: 82.23,83.18 81.95,48.75 76.94,48.76 76.94,43.9 85.4,43.85 85.39,83.22
/3V3_PD2 on Bottom: 8.39,82.48 8.67,48.04 13.68,48.05 13.68,43.19 5.22,43.15 5.23,82.52
/GPS/3V3_GPS on Top: 3.39,38.27 3.39,33.97 5.14,32.29 6.56,32.29 6.55,33.87 7.91,33.85 7.92,31.94 9.01,31.94 9,33.89 10.14,34.44 10.19,38.29
/MAG1/3V3_SENSORS on Top: 35.98,33.72 35.98,29.47 40.49,29.36 41.48,27.04 41.51,21.78 43.86,21.78 43.98,33.71
/MAG1/3V3_SENSORS on Bottom: 39.45,28.2 39.42,32 35.99,32.02 36.04,22.79 39.83,22.8 40.33,21.05 44.08,21.05 44.02,28.21
/MAG2/3V3_SENSORS on Bottom: 58.8,28.18 58.77,31.98 55.35,32 55.39,22.77 59.72,22.75 60.08,21.06 63.38,21.07 63.36,28.19
GND on Top: 65.7,19.11 65.7,7.65 81.14,7.65 91.32,11.76 91.41,19.21
GND on Top: 21.27,15.4 21.27,21.35 19.24,21.35 19.24,15.4 10.35,15.4 10.35,2.95 29.65,2.95 29.65,15.4
GND on Top, Bottom, In1.Cu: -8.4,103.49 -7.2,-6.31 98.1,-6.81 96,102.59
GND on In1.Cu: 30.67,1.52 30.67,12.28 24.96,23.05 18.1,23.05 17.72,21.59 16.45,21.08 9.78,12.28 9.78,1.52
VDD_1V8 on Bottom: 39.47,43.32 39.47,42.45 39.89,41.87 39.94,37.72 40.98,35.35 42.14,35.32 43.39,37.76 46.05,37.78 46.05,39.92 43.72,39.91 43.7,38.87 41.57,38.86 41.6,43.18 40.61,43.15 40.39,43.32
VDD_3V3 on Top: 65.27,43.32 68.13,43.32 68.13,39.37 65.27,39.37
VDD_3V3 on Top: 5.11,39.08 13.92,39.08 13.95,42.59 7.27,42.58 6.04,43.61 5.33,43.61 4.95,43.01
VDD_3V3 on Top: 41.52,42.82 41.52,38.11 43.85,38.1 43.83,42.81
VDD_3V3 on Bottom: 18.92,44.36 18.92,48.02 18.22,49.18 13.68,49.15 13.7,44.34
VDD_3V3 on Bottom: 44.01,27.65 44,23.94 49.57,23.87 49.5,27.61
VDD_3V3 on Bottom: 76.91,47.73 76.91,44.07 76.86,42.89 71.67,42.94 71.69,47.75
VDD_3V3 on Bottom: 63.36,27.64 63.35,23.93 68.92,23.86 68.85,27.6
VDD_3V3 on In2.Cu: 10.95,39.14 10.92,42.51 13.54,43.37 13.58,48.09 18.42,48.04 43.26,44.29 43.26,37.97 47.61,28.01 49.36,26.96 59.16,27.03 59.11,31.29 64.3,35.46 65.29,39.37 65.3,43.26 71.98,47.59 77.05,47.61 77.08,42.15 71.2,42.1 68.44,27.49 68.51,22.04 44.08,21.99 44.05,27.08 40.48,29.61 41.51,37.94 41.48,41.88 21.86,44.42 14.61,39.16
V_RF on Top: 32.14,20.5 32.14,19.08 35.11,19.08 44.29,16.8 46.8,16.72 46.8,18.56 36.76,20.47
VSYS on Top: 32.27,17.91 32.29,16.61 36.54,16.62 36.92,15.49 39.7,15.46 39.64,16.69 38.01,18.27 36.29,18.29 35.48,17.92
VSYS on Top: 67.9,63.09 67.8,55.69 75.1,55.69 75.2,63.09
VSYS on In2.Cu: -4.7,98.69 -2.6,-2.91 93.7,-2.91 92.7,97.99

## Text on the board
F.Silkscreen: Flynn Dreilinger • Aug 2024 | √g 1.0.1
